# Altium PCB PCB1.PcbDoc (part 1 of 2) (continued)
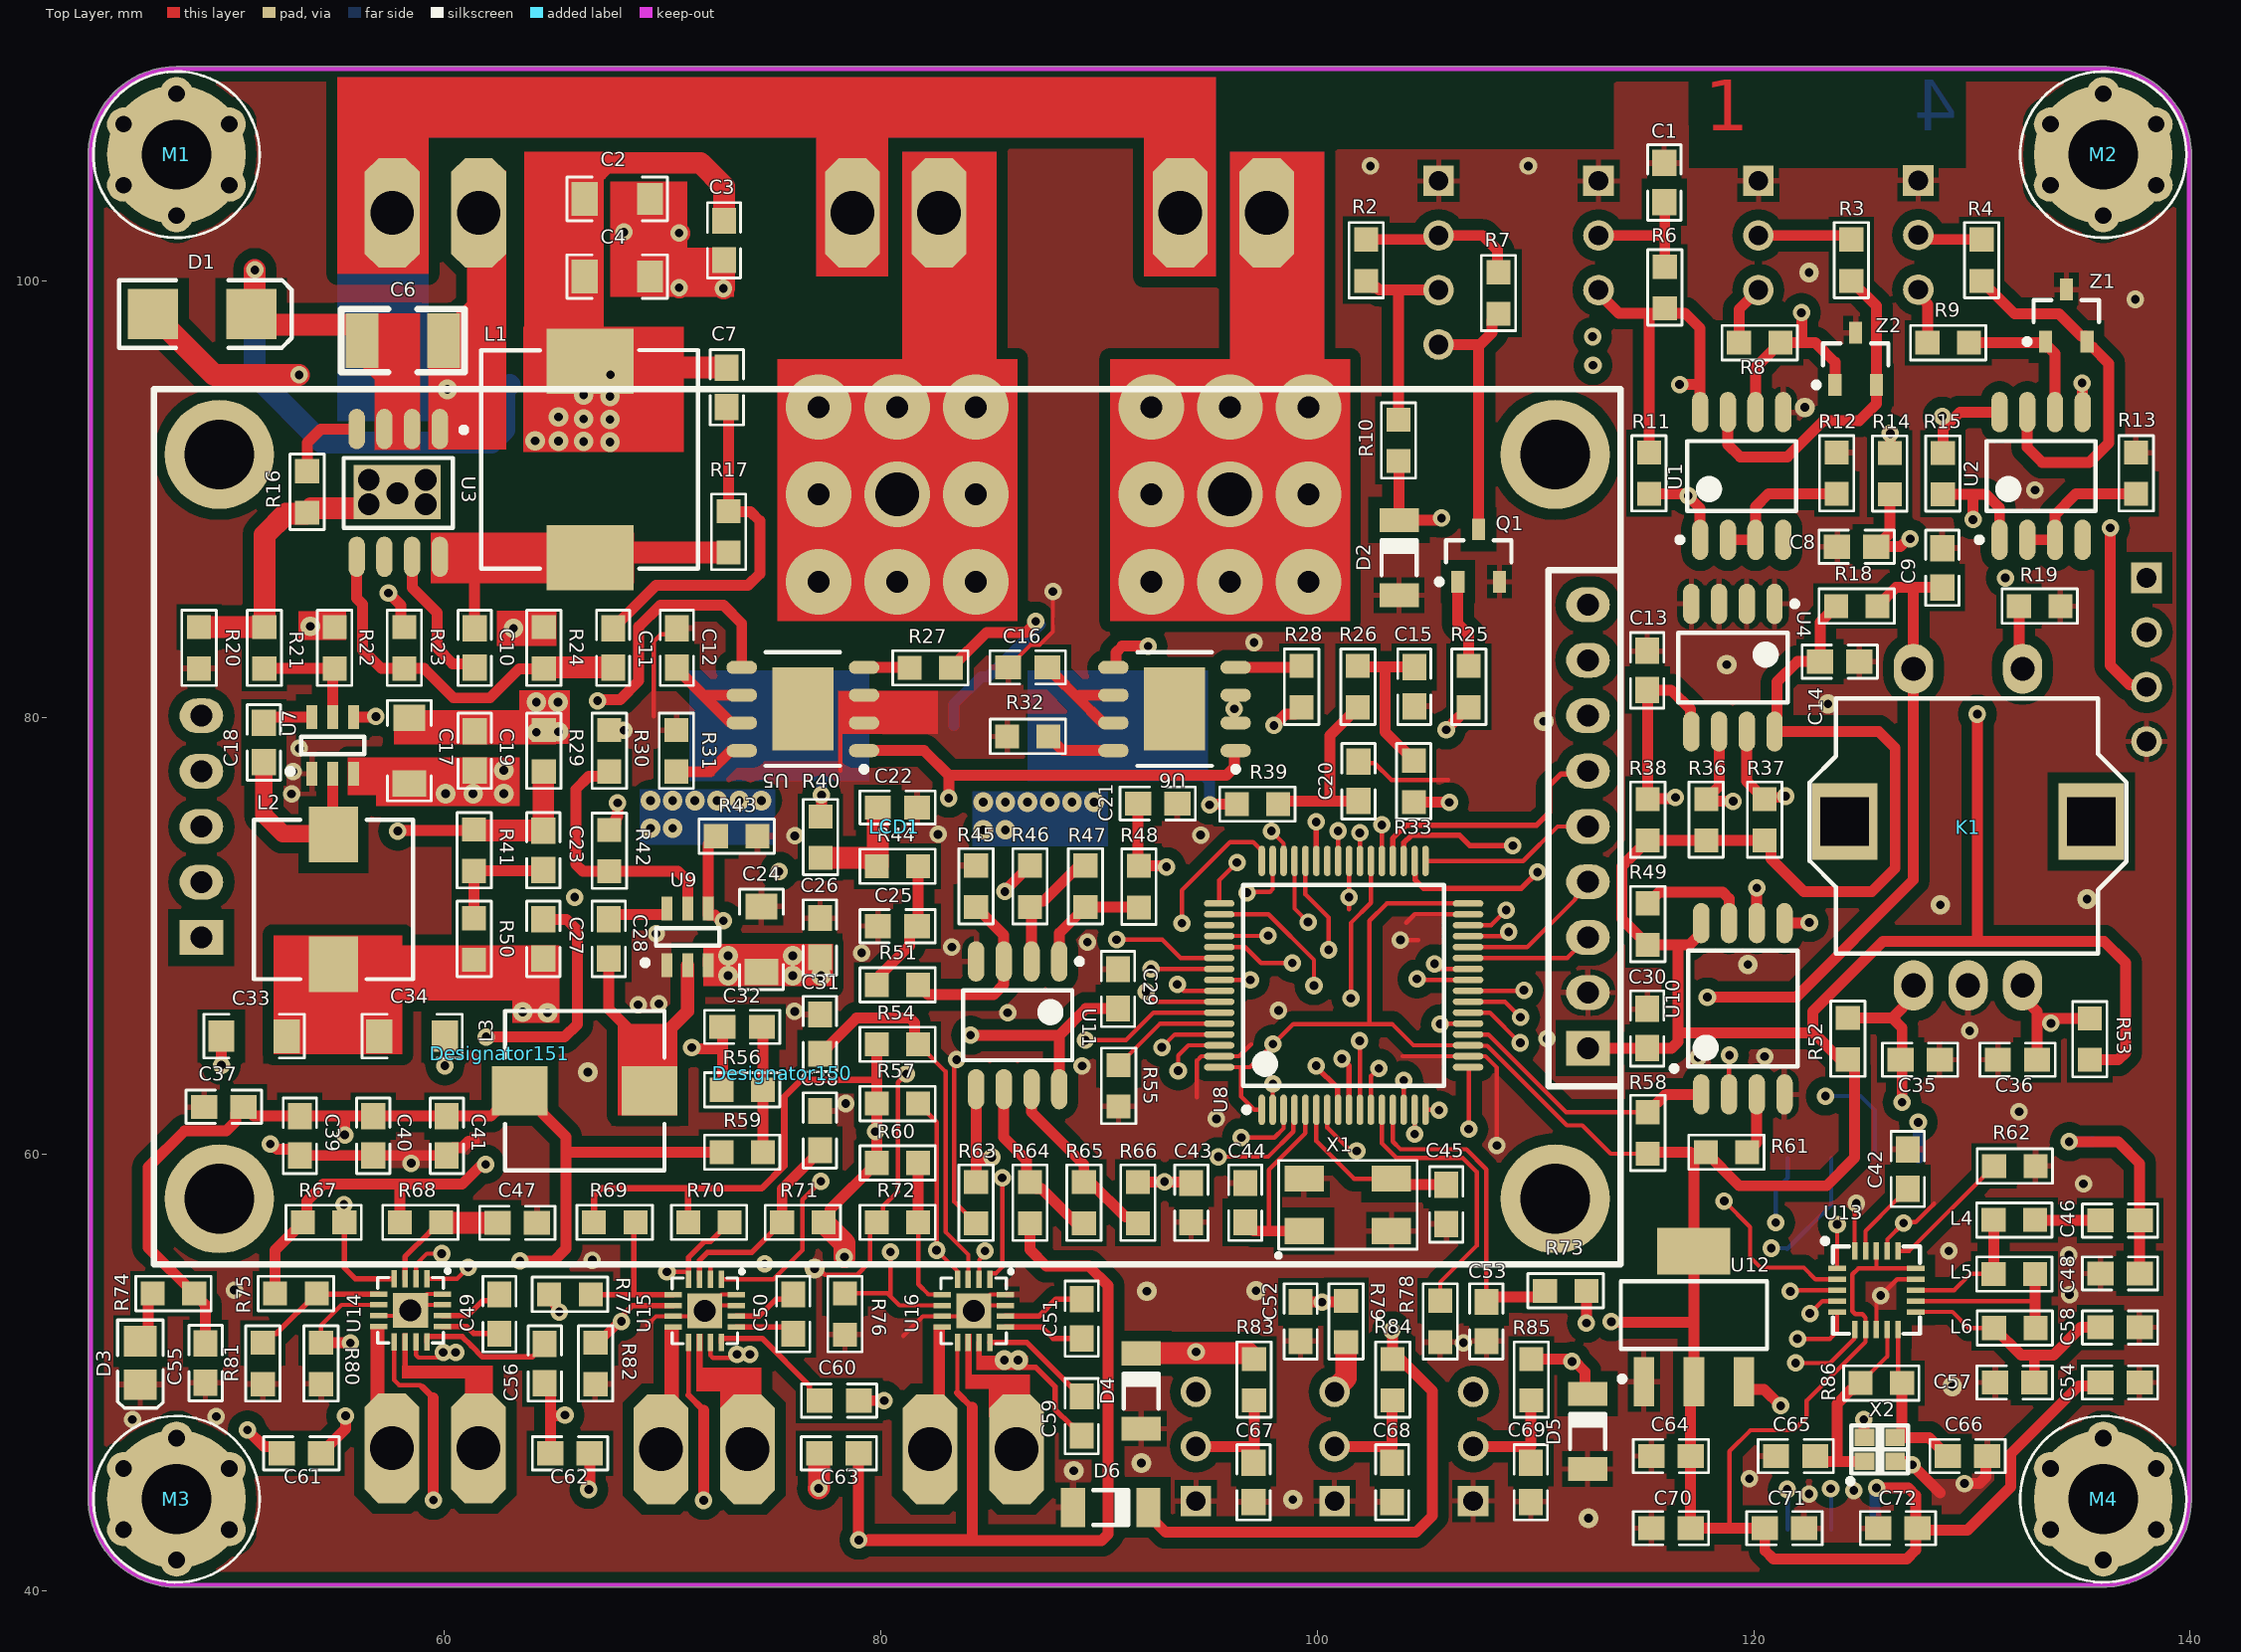
[diagram p0: Top Layer view]
## Components (designator, comment, footprint, x,y, rotation, side; value= is the part's Value field where it differs from the comment) (continued)
C "PCT" "Power Connector Straght" 80.712,103.546 r90 bottom locked (schematic designator J2)
C1 "100nF" CAP0603 115.844,104.521 r90 top (schematic designator C23)
C2 "1uF" CAP1206 67.945,103.632 r0 top (schematic designator C6)
C3 "100nF" CAP0603 72.898,101.854 r270 top (schematic designator C7)
C4 "1uF" CAP1206 67.945,100.076 r0 top (schematic designator C5)
C6 "2.2uF 100V" "CAP 1210" 58.547,96.52 r180 top (schematic designator C1)
C7 "100nF" CAP0603 73.025,95.123 r270 top (schematic designator C3)
C8 "100nF" CAP0603 124.714,87.762 r180 top (schematic designator C21)
C9 "100nF" CAP0603 128.58,86.868 r90 top (schematic designator C60)
C10 "100nF" CAP0603 61.476,83.185 r270 top (schematic designator C2)
C11 "100nF" CAP0603 67.818,83.185 r270 top (schematic designator C4)
C12 "100nF" CAP0603 70.612,83.199 r90 top (schematic designator C9)
C13 "100nF" CAP0603 115.062,82.169 r90 top (schematic designator C72)
C14 "100nF" CAP0603 123.952,82.628 r0 top (schematic designator C69)
C15 "100nF" CAP0603 104.521,81.407 r270 top (schematic designator C32)
C16 "100nF" CAP0603 86.741,82.239 r180 top (schematic designator C29)
C17 "1uF" CAP1206 58.547,78.486 r90 top (schematic designator C12)
C18 "100nF" CAP0603 51.689,78.867 r90 top (schematic designator C10)
C19 "100nF" CAP0603 61.348,78.486 r90 top (schematic designator C13)
C20 "100nF" CAP0603 101.833,77.089 r90 top (schematic designator C31)
C21 "100nF" CAP0603 92.71,76.127 r0 top (schematic designator C11)
C22 "100nF" CAP0603 80.789,75.946 r0 top (schematic designator C14)
C23 "100nF" CAP0603 64.494,73.931 r90 top (schematic designator C19)
C24 "1uF" CAP1206 74.677,69.84 r90 top (schematic designator C22)
C25 "100nF" CAP0603 80.775,70.381 r180 top (schematic designator C15)
C26 "100nF" CAP0603 77.165,69.927 r90 top (schematic designator C24)
C27 "100nF" CAP0603 64.494,69.867 r90 top (schematic designator C18)
C28 "100nF" CAP0603 67.493,69.867 r90 top (schematic designator C20)
C29 "100nF" CAP0603 90.95,67.564 r270 top (schematic designator C8)
C30 "100nF" CAP0603 115.062,65.761 r90 top (schematic designator C56)
C31 "100nF" CAP0603 77.165,65.507 r90 top (schematic designator C45)
C32 "100nF" CAP0603 73.66,65.765 r180 top (schematic designator C28)
C33 "1uF" CAP1206 51.308,65.532 r180 top (schematic designator C17)
C34 "1uF" CAP1206 58.547,65.278 r0 top (schematic designator C16)
C35 "100nF" CAP0603 127.635,64.387 r0 top (schematic designator C57)
C36 "100nF" CAP0603 132.08,64.259 r180 top (schematic designator C58)
C37 "100nF" CAP0603 49.911,62.103 r180 top (schematic designator C34)
C38 "100nF" CAP0603 77.165,61.087 r90 top (schematic designator C44)
C39 "100nF" CAP0603 53.467,60.833 r270 top (schematic designator C25)
C40 "100nF" CAP0603 56.832,60.833 r270 top (schematic designator C26)
C41 "100nF" CAP0603 60.198,60.833 r270 top (schematic designator C27)
C42 "100nF" CAP0603 127,59.326 r90 top (schematic designator C53)
C43 "100nF" CAP0603 94.304,57.768 r270 top (schematic designator C30)
C44 "100nF" CAP0603 96.647,57.782 r90 top (schematic designator C63)
C45 "100nF" CAP0603 105.982,57.689 r270 top (schematic designator C62)
C46 "100nF" CAP0603 136.779,56.896 r180 top (schematic designator C59)
C47 "100nF" CAP0603 63.373,56.917 r0 top (schematic designator C46)
C48 "100nF" CAP0603 136.779,54.47 r180 top (schematic designator C61)
C49 "100nF" CAP0603 62.611,52.665 r270 top (schematic designator C43)
C50 "100nF" CAP0603 76.073,52.665 r270 top (schematic designator C41)
C51 "100nF" CAP0603 89.282,52.451 r270 top (schematic designator C42)
C52 "100nF" CAP0603 99.314,52.324 r270 top (schematic designator C55)
C53 "100nF" CAP0603 107.823,52.324 r270 top (schematic designator C54)
C54 "100nF" CAP0603 136.793,52.125 r0 top (schematic designator C66)
C55 "100nF" CAP0603 49.149,50.419 r270 top (schematic designator C33)
C56 "100nF" CAP0603 64.558,50.419 r90 top (schematic designator C49)
C57 "100nF" CAP0603 131.953,49.473 r180 top (schematic designator C67)
C58 "100nF" CAP0603 136.793,49.601 r0 top (schematic designator C35)
C59 "100nF" CAP0603 89.154,48.006 r90 top (schematic designator C48)
C60 "100nF" CAP0603 78.105,48.641 r180 top (schematic designator C47)
C61 "100nF" CAP0603 53.467,46.227 r180 top (schematic designator C52)
C62 "100nF" CAP0603 65.786,46.355 r0 top (schematic designator C50)
C63 "100nF" CAP0603 78.105,46.355 r0 top (schematic designator C51)
C64 "100nF" CAP0603 116.205,46.101 r180 top (schematic designator C68)
C65 "100nF" CAP0603 121.92,46.101 r180 top
C66 "100nF" CAP0603 129.794,46.101 r180 top (schematic designator C64)
C67 "100nF" CAP0603 97.155,44.958 r270 top (schematic designator C40)
C68 "100nF" CAP0603 103.505,44.958 r270 top (schematic designator C38)
C69 "100nF" CAP0603 109.855,44.958 r270 top (schematic designator C39)
C70 "100nF" CAP0603 116.205,42.798 r180 top (schematic designator C36)
C71 "1uF" CAP0603 121.405,42.798 r180 top
C72 "10uF" CAP0603 126.619,42.926 r0 top (schematic designator C70)
D1 "SS36" SS36 48.895,98.425 r0 top
D2 "ZENER" ZENER 104.013,87.45 r0 top
D3 "LED" LED0805 46.228,50.546 r90 top (schematic designator D6)
D4 "ZENER" ZENER 92.202,49.276 r0 top (schematic designator D5)
D5 "ZENER" ZENER 112.649,47.424 r0 top (schematic designator D4)
D6 "ZENER" ZENER 90.672,43.561 r270 top (schematic designator D3)
Designator150 "Comment" LOGO 75.49,63.7 r180 top
Designator151 "Comment" LOGO2 62.56,64.61 r180 top
DMX "Header1*3" HEADER1*3 120.819,102.088 r270 bottom (schematic designator H3)
FAN "Header1*4" HEADER1*4 106.172,100.838 r270 bottom (schematic designator H1)
FB_P "Header1*3" HEADER1*3 93.853,46.609 r90 bottom (schematic designator H7)
FB_T "Header1*3" HEADER1*3 100.203,46.609 r90 bottom (schematic designator H5)
FB_Z "Header1*3" HEADER1*3 106.553,46.609 r90 bottom (schematic designator H6)
JOYSTICK "Header1*3" HEADER1*3 128.143,102.108 r270 bottom (schematic designator H2)
K1 "Rotary Digital Encoder" "Rotary Digital Encoder" 129.921,75.184 r0 top locked
L1 "68uH" "INDUCTOR  10*10" 66.675,91.821 r270 top
L2 "22uH" "INDUCTOR 7*7" 54.864,71.628 r90 top
L3 "22uH" "INDUCTOR 7*7" 66.421,62.992 r0 top
L4 "68uH" RES0603 131.826,57.126 r180 top
L5 "68uH" RES0603 131.826,54.653 r180 top
L6 "68uH" RES0603 132.08,51.891 r0 top
LCD1 "LCD  2.2INCH" "TFT LCD 2.2inch  QVGA" 80.01,75.057 r90 top locked
M1 "KEEPER" MOUNTING 47.752,105.791 r0 top locked
M2 "KEEPER" MOUNTING 136.017,105.791 r0 top locked
M3 "KEEPER" MOUNTING 47.752,44.196 r0 top locked
M4 "KEEPER" MOUNTING 136.017,44.196 r0 top locked
P "PCT" "Power Connector Straght" 59.591,46.101 r270 bottom (schematic designator J6)
prog "SWD" SWD 138.049,82.804 r180 bottom (schematic designator *)
PWR "PCT" "Power Connector Straght" 59.63,103.546 r90 bottom (schematic designator J1)
Q1 "NPN" BC817 107.442,87.503 r0 top
Q2 "D2PAK_NMOS" D2PAK_NMOS 103.612,81.924 r180 bottom locked (schematic designator Q3)
Q3 "D2PAK_NMOS" D2PAK_NMOS 88.372,81.924 r180 bottom locked (schematic designator Q2)
R2 "1K" RES0603 102.108,100.838 r270 top
R3 "1K" RES0603 124.333,100.838 r270 top (schematic designator R30)
R4 "1K" RES0603 130.302,100.838 r270 top (schematic designator R7)
R6 "1K" RES0603 116.078,99.822 r90 top (schematic designator R35)
R7 "1K" RES0603 108.458,99.568 r90 top (schematic designator R8)
R8 "1K" RES0603 120.396,97.028 r0 top (schematic designator R32)
R9 "1K" RES0603 129.032,97.028 r0 top (schematic designator R12)
R10 "1K" RES0603 103.588,92.583 r270 top (schematic designator R6)
R11 "1K" RES0603 115.062,91.079 r270 top (schematic designator R28)
R12 "1K" RES0603 123.952,91.313 r90 top (schematic designator R33)
R13 "1K" RES0603 137.668,91.313 r90 top
R14 "1K" RES0603 126.093,91.059 r270 top (schematic designator R36)
R15 "1K" RES0603 128.524,91.059 r270 top (schematic designator R3)
R16 "1K" RES0603 53.594,90.224 r270 top (schematic designator R9)
R17 "1K" RES0603 72.898,88.392 r270 top (schematic designator R4)
R18 "1K" RES0603 124.841,84.963 r0 top (schematic designator R79)
R19 "1K" RES0603 133.223,84.963 r0 top (schematic designator R80)
R20 "0R" RES0603 48.641,83.078 r270 top (schematic designator R53)
R21 "1K" RES0603 51.923,83.312 r90 top (schematic designator R29)
R22 "1K" RES0603 54.849,83.078 r270 top (schematic designator R24)
R23 "1K" RES0603 58.336,83.312 r90 top (schematic designator R10)
R24 "1K" RES0603 64.438,83.075 r270 top (schematic designator R5)
R25 "1K" RES0603 106.807,81.297 r270 top (schematic designator R16)
R26 "1K" RES0603 101.727,81.297 r270 top (schematic designator R48)
R27 "1K" RES0603 82.169,82.423 r180 top (schematic designator R19)
R28 "1K" RES0603 99.441,81.531 r90 top (schematic designator R45)
R29 "1K" RES0603 64.728,78.596 r90 top (schematic designator R34)
R30 "1K" RES0603 67.727,78.596 r90 top (schematic designator R40)
R31 "1K" RES0603 70.506,78.359 r270 top (schematic designator R17)
R32 "1K" RES0603 86.868,78.994 r0 top (schematic designator R42)
R33 "1K" RES0603 104.577,77.199 r90 top (schematic designator R49)
R36 "1K" RES0603 117.973,75.438 r90 top (schematic designator R84)
R37 "1K" RES0603 120.65,75.438 r90 top (schematic designator R83)
R38 "1K" RES0603 115.296,75.438 r90 top (schematic designator R85)
R39 "1K" RES0603 97.155,76.183 r180 top (schematic designator R47)
R40 "1K" RES0603 77.4,74.639 r90 top (schematic designator R21)
R41 "1K" RES0603 61.532,74.041 r90 top (schematic designator R31)
R42 "1K" RES0603 67.437,73.787 r270 top (schematic designator R37)
R43 "1K" RES0603 73.533,74.422 r0 top
R44 "1K" RES0603 80.665,73.334 r180 top (schematic designator R22)
R45 "1K" RES0603 84.525,72.39 r90 top (schematic designator R26)
R46 "1K" RES0603 86.995,72.39 r90 top (schematic designator R18)
R47 "1K" RES0603 89.535,72.39 r90 top (schematic designator R11)
R48 "1K" RES0603 91.694,72.136 r270 top (schematic designator R20)
R49 "1K" RES0603 115.296,70.654 r90 top (schematic designator R87)
R50 "1K" RES0603 61.532,69.977 r90 top (schematic designator R27)
R51 "1K" RES0603 80.665,67.897 r180 top (schematic designator R23)
R52 "1K" RES0603 124.46,65.405 r90 top (schematic designator R78)
R53 "1K" RES0603 135.255,65.151 r270 top (schematic designator R81)
R54 "1K" RES0603 80.899,64.888 r0 top (schematic designator R59)
R55 "1K" RES0603 91.056,63.246 r90 top (schematic designator R73)
R56 "1K" RES0603 73.553,63.092 r180 top (schematic designator R41)
R57 "1K" RES0603 80.899,62.17 r0 top (schematic designator R62)
R58 "1K" RES0603 115.296,61.087 r90 top (schematic designator R86)
R59 "1K" RES0603 73.787,59.944 r0 top (schematic designator R38)
R60 "1K" RES0603 80.899,59.451 r0 top (schematic designator R65)
R61 "1K" RES0603 118.872,59.944 r0 top (schematic designator R88)
R62 "1K" RES0603 132.08,59.309 r0 top (schematic designator R77)
R63 "1K" RES0603 84.235,57.658 r270 top (schematic designator R51)
R64 "1K" RES0603 86.706,57.658 r270 top (schematic designator R44)
R65 "1K" RES0603 89.178,57.658 r270 top (schematic designator R39)
R66 "1K" RES0603 91.649,57.658 r270 top (schematic designator R46)
R67 "1K" RES0603 54.61,56.733 r0 top (schematic designator R63)
R68 "1K" RES0603 59.046,56.733 r0 top (schematic designator R60)
R69 "1K" RES0603 67.945,56.733 r0 top (schematic designator R64)
R70 "1K" RES0603 72.263,56.733 r0 top (schematic designator R61)
R71 "1K" RES0603 76.327,57.023 r180 top (schematic designator R58)
R72 "1K" RES0603 80.665,57.023 r180 top (schematic designator R68)
R73 "1K" RES0603 111.506,53.594 r0 top (schematic designator R74)
R74 "1K" RES0603 47.498,53.757 r180 top (schematic designator R89)
R75 "1K" RES0603 53.34,53.467 r0 top (schematic designator R66)
R76 "1K" RES0603 78.232,52.555 r270 top (schematic designator R71)
R77 "1K" RES0603 65.659,53.721 r180 top (schematic designator R67)
R78 "1K" RES0603 105.791,52.451 r90 top (schematic designator R75)
R79 "1K" RES0603 101.473,52.448 r90 top (schematic designator R76)
R80 "1K" RES0603 54.229,50.295 r270 top (schematic designator R72)
R81 "1K" RES0603 51.562,50.292 r270 top (schematic designator R70)
R82 "1K" RES0603 66.802,50.292 r270 top (schematic designator R69)
R83 "1K" RES0603 97.261,49.784 r90 top (schematic designator R56)
R84 "1K" RES0603 103.611,49.784 r90 top (schematic designator R54)
R85 "1K" RES0603 109.961,49.784 r90 top (schematic designator R55)
R86 "1K" RES0603 125.73,49.657 r180 top (schematic designator R82)
R87 ".5R" RES2512 59.944,95.25 r0 bottom (schematic designator R1)
R88 ".5R" RES2512 88.519,78.205 r90 bottom (schematic designator R50)
R89 ".5R" RES2512 73.025,78.205 r90 bottom (schematic designator R25)
T "PCT" "Power Connector Straght" 71.913,46.06 r270 bottom locked (schematic designator J4)
TEMPERATURE "Header1*3" HEADER1*3 113.496,102.088 r270 bottom (schematic designator H4)
U1 "MAX3075" MAX3075 119.507,91.059 r90 top (schematic designator U6)
U2 "MAX3075" MAX3075 133.223,91.059 r90 top
U3 "Lm5164" Lm5164 58.113,90.43 r270 top (schematic designator U1)
U4 "AT24C02" AT24C02 119.253,82.423 r270 top (schematic designator U15)
U5 "MXHV9910BE" MXHV9910BE 76.448,80.391 r180 top
U6 "MXHV9910BE" MXHV9910BE 93.472,80.391 r180 top (schematic designator U8)
U7 "TPS54202DDCR" TPS54202DDCR 54.864,78.486 r90 top (schematic designator U4)
U8 "STM32F103RET6" STM32F103RET6 101.219,67.734 r90 top locked (schematic designator U13)
U9 "TPS54202DDCR" TPS54202DDCR 71.12,69.723 r90 top (schematic designator U7)
U10 "W25Qxx" W25QXX 119.507,66.675 r90 top (schematic designator U16)
U11 "LM358" LM358 86.36,65.913 r270 top (schematic designator U3)
U12 "AMS1117 3.3" AMS1117 117.348,52.594 r0 top (schematic designator U9)
U13 "NRF24L01" NRF24L01 125.476,53.622 r0 top (schematic designator U14)
U14 "DRV8876" Drv8876 56.123,53.544 r270 top (schematic designator U12)
U15 "DRV8876" Drv8876 69.606,53.52 r270 top (schematic designator U10)
U16 "DRV8876" Drv8876 81.925,53.52 r270 top (schematic designator U11)
U17 "RA-02" LORA 122.682,51.435 r180 bottom locked
W "PCT" "Power Connector Straght" 95.723,103.546 r90 bottom locked (schematic designator J3)
X1 "8.000MHz" CRYSTAL_SMD4PIN 101.473,57.785 r180 top
X2 "8.000MHz" "CRYSTAL - SMD4PIN 1.6*2" 127.381,46.419 r180 top
Z "PCT" "Power Connector Straght" 84.236,46.06 r270 bottom (schematic designator J5)
Z1 "SM712" BC817 134.366,98.501 r0 top
Z2 "SM712" BC817 124.714,96.52 r0 top

## Footprints (in the part's own frame and the unit in brackets; to place one, negate y for a bottom-side part, rotate by r counter-clockwise, add the part's x,y. Pads: shape width x height; smd on the part's side, far side on the other; paste and mask are expansions set on the pad)
AMS1117 [mm]
  rect 0.95x2.25 smd: 1(-2.374,-3.019) 2(-0.084,-3.019) 3(2.206,-3.019)
  rect 3.35x2.15 smd: 4(-0.084,2.958)
  silkscreen extent -3.5,-3.02 3.27,1.58, body extent -3.43,-1.82 3.27,1.88, height 1.8
AT24C02 [mm]
  oval 1.85x0.75 smd: 1(-2.788,1.704) 2(-2.788,0.434) 3(-2.788,-0.836) 4(-2.788,-2.106) 5(3.062,-2.106) 6(3.062,-0.836) 7(3.062,0.434) 8(3.062,1.704)
  silkscreen extent -2.91,-2.7 1.74,2.75, body extent -3.11,-2.7 3.39,2.3, height 1.35
BC817 [mm]
  rect 0.6x1 smd: 1(-0.989,-1.28) 2(0.911,-1.28) 3(-0.039,1.12)
  silkscreen extent -1.96,-1.4 1.46,0.62, body extent -1.54,-0.78 1.46,0.62, height 1.1
CAP0603 [mm]
  rect 1.2x1.1 smd: 1(0.893,-0.064) 2(-0.907,-0.064)
  silkscreen extent -1.73,-0.83 1.72,0.7, body extent -0.9,-0.55 0.87,0.42, height 0.6
CAP1206 [mm]
  rect 1.2x1.45 smd: 1(1.5,0.127)
  rect 1.2x1.55 smd: 2(-1.5,0.127)
  silkscreen extent -2.3,-0.87 2.3,1.13, body extent -1.57,-0.55 1.57,0.8, height 0.6
"CAP 1210" [mm]
  rect 1.5x2.5 smd: 1(-1.45,-0.75) 2(2.3,-0.75)
  silkscreen extent -2.4,-2.2 3.25,0.7
"CRYSTAL - SMD4PIN 1.6*2" [mm]
  rect 0.9x0.8 smd: 1(2.3,0.5) 2(0.9,0.5) 3(0.9,-0.6) 4(2.3,-0.6)
  silkscreen extent 0.3,-1.15 3.06,1.51, body extent 0.6,-0.85 2.6,0.75, height 0.5
CRYSTAL_SMD4PIN [mm]
  rect 1.8x1.2 smd: 1(2.061,1.308) 2(-1.939,1.308) 3(-1.939,-1.092) 4(2.061,-1.092)
  silkscreen extent -3.11,-1.92 3.29,2.48, body extent -2.48,-1.42 2.6,1.63, height 0.9
D2PAK_NMOS [mm]
  rect 3x5 smd: 1(10.2,-2.3) 2(5,-2.3)
  rect 11x12 smd: 3(7.6,8.5)
  Bottom Layer region: 2.1,14.5 13.1,14.5 13.1,2.5 2.1,2.5
  body extent 2.52,-2.08 12.68,13.36, height 4.69
Drv8876 [mm]
  rect 0.8x0.25 smd: 1(-0.75,3.1) 2(-0.75,2.6) 3(-0.75,2.1) 4(-0.75,1.6) 9(2.15,1.6) 10(2.15,2.1) 11(2.15,2.6) 12(2.15,3.1)
  rect 0.25x0.8 smd: 5(-0.05,0.9) 6(0.45,0.9) 7(0.95,0.9) 8(1.45,0.9) 13(1.45,3.8) 14(0.95,3.8) 15(0.45,3.8) 16(-0.05,3.8)
  rect 1.6x1.6 smd: 7(0.7,2.35)
  silkscreen extent -1.15,0.85 2.2,4.1, body extent -0.8,0.85 2.2,3.85, height 0.8
HEADER1*3 [mm] "2.50mm Male Shrouded Header, 3p"
  rect 1.4x1.4 hole 0.9: 1(-2.5,0.6)
  round 1.4 hole 0.9: 2(0,0.6) 3(2.5,0.6)
  silkscreen extent -5,-2.45 5,2.45, body extent -5,-2.45 5,2.45, height 5.95
HEADER1*4 [mm] "2.50mm Male Shrouded Header, 4p"
  rect 1.4x1.4 hole 0.9: 1(-3.75,0.6)
  round 1.4 hole 0.9: 2(-1.25,0.6) 3(1.25,0.6) 4(3.75,0.6)
  silkscreen extent -6.25,-2.45 6.25,2.45, body extent -6.25,-2.45 6.25,2.45, height 5.95
"INDUCTOR 7*7" [mm]
  rect 2.55x2.25 smd: 1(3.011,-0.083) 2(-2.939,-0.083)
  silkscreen extent -3.61,-3.73 3.69,3.57, body extent -3.59,-3.71 3.67,3.55, height 3
"INDUCTOR  10*10" [mm]
  rect 3x4 smd: 1(4.497,0.027) 2(-4.503,0.027)
  silkscreen extent -5.02,-4.97 5,4.98, body extent -5,-4.97 5,4.97, height 3
"IPX Connector" [mm] "IPX Connector GSP/GPS antenna"
  rect 1.05x2.2 smd: 1(-1.475,0) 2(1.475,0)
  rect 1x1.05 smd: 3(0,-1.525)
  silkscreen extent -1.3,-1.3 1.3,1.3, body extent -1.5,-1.55 1.5,1.3, height 1.27
LED0805 [mm]
  rect 1.4x1.5 smd: 1(0.889,0.127) 2(-1.111,0.127)
  silkscreen extent -2.18,-0.91 1.84,1.17, body extent -1.19,-0.57 0.96,0.83, height 0.65
LM358 [mm]
  oval 1.85x0.75 smd: 1(-2.915,1.831) 2(-2.915,0.561) 3(-2.915,-0.709) 4(-2.915,-1.979) 5(2.935,-1.979) 6(2.935,-0.709) 7(2.935,0.561) 8(2.935,1.831)
  silkscreen extent -3.04,-2.57 1.61,2.88, body extent -3.24,-2.57 3.26,2.43, height 1.35
Lm5164 [mm]
  oval 1.85x0.75 smd: 1(-2.788,1.704) 2(-2.788,0.434) 3(-2.788,-0.836) 4(-2.788,-2.106) 5(3.062,-2.106) 6(3.062,-0.836) 7(3.062,0.434) 8(3.062,1.704)
  rect 2.5x4 hole 0.5: 1(0.1,-0.25)
  silkscreen extent -2.87,-2.7 1.74,2.93, body extent -3.11,-2.7 3.39,2.3, height 1.35
LOGO [mm]
LOGO2 [mm]
LORA [mm]
  oval 1.15x3 smd: 1(-6.873,-8.627) 2(-4.873,-8.627) 3(-2.873,-8.627) 4(-0.873,-8.627) 5(1.127,-8.627) 6(3.127,-8.627) 7(5.127,-8.627) 8(7.127,-8.627) 9(7.127,8.373) 10(5.127,8.373) 11(3.127,8.373) 12(1.127,8.373) 13(-0.873,8.373) 14(-2.873,8.373) 15(-4.873,8.373) 16(-6.873,8.373)
  silkscreen extent -8.37,-7.98 8.63,6.47, body extent -8.37,-7.13 8.63,6.87, height 3
MAX3075 [mm]
  oval 1.85x0.75 smd: 1(-2.915,1.958) 2(-2.915,0.688) 3(-2.915,-0.582) 4(-2.915,-1.852) 5(2.935,-1.852) 6(2.935,-0.582) 7(2.935,0.688) 8(2.935,1.958)
  silkscreen extent -3.04,-2.45 1.61,3.01, body extent -3.24,-2.45 3.26,2.55, height 1.35